# KiCad board Tiling_Flex_V1.kicad_pcb (continued)
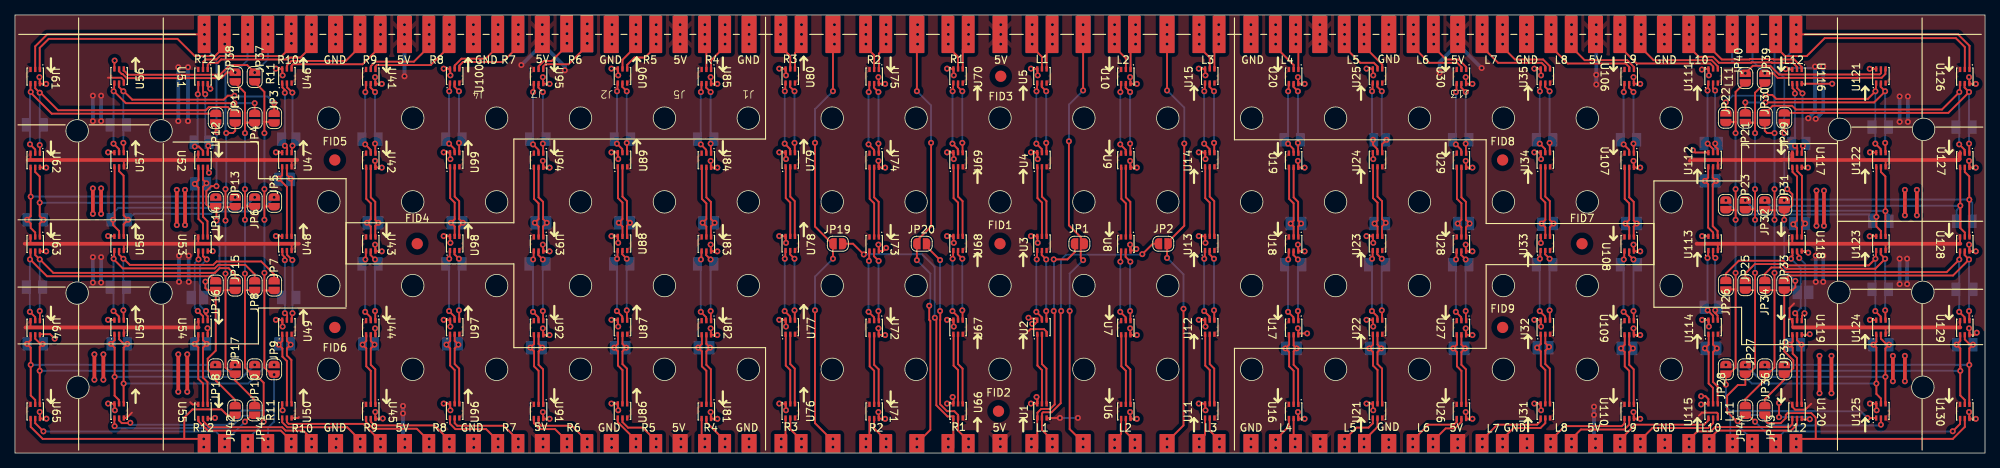
[diagram p0: board, top side]
## Placement (name value [footprint] x y rotation side) (continued)
U91  ~  [WS2816-2121]  69.9 5.6 270 top
U92  ~  [WS2816-2121]  69.9 16.8 270 top
U93  ~  [WS2816-2121]  69.9 28 270 top
U94  ~  [WS2816-2121]  69.9 39.2 270 top
U95  ~  [WS2816-2121]  69.9 50.4 270 top
U96  ~  [WS2816-2121]  58.7 5.6 90 top
U97  ~  [WS2816-2121]  58.7 16.8 90 top
U98  ~  [WS2816-2121]  58.7 28 90 top
U99  ~  [WS2816-2121]  58.7 39.2 90 top
U100  ~  [WS2816-2121]  58.7 50.4 90 top
U106  ~  [WS2816-2121]  215.5 50.4 270 top
U107  ~  [WS2816-2121]  215.5 39.2 270 top
U108  ~  [WS2816-2121]  215.5 28 270 top
U109  ~  [WS2816-2121]  215.5 16.8 270 top
U110  ~  [WS2816-2121]  215.5 5.6 270 top
U111  ~  [WS2816-2121]  226.7 50.4 90 top
U112  ~  [WS2816-2121]  226.7 39.2 90 top
U113  ~  [WS2816-2121]  226.7 28 90 top
U114  ~  [WS2816-2121]  226.7 16.8 90 top
U115  ~  [WS2816-2121]  226.7 5.6 90 top
U116  ~  [WS2816-2121]  237.9 50.4 270 top
U117  ~  [WS2816-2121]  237.9 39.2 270 top
U118  ~  [WS2816-2121]  237.9 28 270 top
U119  ~  [WS2816-2121]  237.9 16.8 270 top
U120  ~  [WS2816-2121]  237.9 5.6 270 top
U121  ~  [WS2816-2121]  249.1 50.4 90 top
U122  ~  [WS2816-2121]  249.1 39.2 90 top
U123  ~  [WS2816-2121]  249.1 28 90 top
U124  ~  [WS2816-2121]  249.1 16.8 90 top
U125  ~  [WS2816-2121]  249.1 5.6 90 top
U126  ~  [WS2816-2121]  260.3 50.4 270 top
U127  ~  [WS2816-2121]  260.3 39.2 270 top
U128  ~  [WS2816-2121]  260.3 28 270 top
U129  ~  [WS2816-2121]  260.3 16.8 270 top
U130  ~  [WS2816-2121]  260.3 5.6 270 top

## Library data of the parts
FID1-FID9 = -: Description: Fiducial Marker
J1-J30 J47 J48 J75 J76 J87-J162 J211-J274 = -: Description: Generic connector, single row, 01x01, script generated
J31-J46 J49-J74 J77-J86 = -: Description: Generic connector, single row, 01x02, script generated
JP1-JP44 = -: Description: Solder Jumper, 2-pole, open

## Footprints (pads in the part's own frame, mm; a bottom-side part is the same pattern mirrored in y, then rotated)
Fiducial_1.5mm_Mask3mm
  round 1.5 smd: (0,0)
SnowBoard Flex Pass Through Pads
  rrect 2x5 smd: 1(-5.6,0) 2(5.6,0)
  rrect 2x5 smd far side: 1(-5.6,0) 2(5.6,0)
SnowBoard Flex Pass Through Pads Short
  rrect 2x2.5 smd: 1(-5.6,0) 2(5.6,0)
  rrect 2x2.5 smd far side: 1(-5.6,0) 2(5.6,0)
SnowBoard Power Pads
  rrect 2x5 smd: 1(0,0)
  rrect 2x5 smd far side: 1(0,0)
SnowBoard Power Pads Short
  rrect 2x2.5 smd: 1(0.2,0)
  rrect 2x2.5 smd far side: 1(0.2,0)
Snowboard_Flex_Solder_Pad
  rrect 1.7x5 smd: 1(-1.35,0) 2(1.35,0)
  rrect 1.7x5 smd far side: 1(-1.35,0) 2(1.35,0)
Snowboard_Flex_Solder_pad_short
  rrect 1.7x2.5 smd: 1(-1.35,0) 2(1.35,0)
  rrect 1.7x2.5 smd far side: 1(-1.35,0) 2(1.35,0)
SolderJumper-2_P1.3mm_Open_RoundedPad1.0x1.5mm
  custom 1x1.5 smd: 1(-0.65,0) 2(0.65,0)
Test Pad
  rrect 1.2x1.8 smd far side: 1(0,0)
WS2816-2121
  rrect 0.7x0.32 smd: 1(-0.91,0.63) 2(-0.91,0) 3(-0.91,-0.63) 4(0.98,-0.63) 5(0.98,0) 6(0.98,0.63)

## Nets
+5V: J3.1 J5.1 J7.1 J9.1 J11.1 J13.1 J15.1 J17.1 J19.1 J21.1 J23.1 J25.1 J27.1 J29.1 U1.3 U2.3 U3.3 U4.3 U5.3 U6.3 U7.3 U8.3 U9.3 U10.3 U11.3 U12.3 U13.3 U14.3 U15.3 U16.3 U17.3 U18.3 U19.3 U20.3 U21.3 U22.3 U23.3 U24.3 U25.3 U26.3 U27.3 U28.3 U29.3 U30.3 U31.3 U32.3 U33.3 U34.3 U35.3 U41.3 U42.3 U43.3 U44.3 U45.3 U46.3 U47.3 U48.3 U49.3 U50.3 U51.3 U52.3 U53.3 U54.3 U55.3 U56.3 U57.3 U58.3 U59.3 U60.3 U61.3 U62.3 U63.3 U64.3 U65.3 U66.3 U67.3 U68.3 U69.3 U70.3 U71.3 U72.3 U73.3 U74.3 U75.3 U76.3 U77.3 U78.3 U79.3 U80.3 U81.3 U82.3 U83.3 U84.3 U85.3 U86.3 U87.3 U88.3 U89.3 U90.3 U91.3 U92.3 U93.3 U94.3 U95.3 U96.3 U97.3 U98.3 U99.3 U100.3 U106.3 U107.3 U108.3 U109.3 U110.3 U111.3 U112.3 U113.3 U114.3 U115.3 U116.3 U117.3 U118.3 U119.3 U120.3 U121.3 U122.3 U123.3 U124.3 U125.3 U126.3 U127.3 U128.3 U129.3 U130.3
GND: J1.1 J2.1 J4.1 J6.1 J8.1 J10.1 J12.1 J14.1 J16.1 J18.1 J20.1 J22.1 J24.1 J26.1 J28.1 J30.1 U1.6 U2.6 U3.6 U4.6 U5.6 U6.6 U7.6 U8.6 U9.6 U10.6 U11.6 U12.6 U13.6 U14.6 U15.6 U16.6 U17.6 U18.6 U19.6 U20.6 U21.6 U22.6 U23.6 U24.6 U25.6 U26.6 U27.6 U28.6 U29.6 U30.6 U31.6 U32.6 U33.6 U34.6 U35.6 U41.6 U42.6 U43.6 U44.6 U45.6 U46.6 U47.6 U48.6 U49.6 U50.6 U51.6 U52.6 U53.6 U54.6 U55.6 U56.6 U57.6 U58.6 U59.6 U60.6 U61.6 U62.6 U63.6 U64.6 U65.6 U66.6 U67.6 U68.6 U69.6 U70.6 U71.6 U72.6 U73.6 U74.6 U75.6 U76.6 U77.6 U78.6 U79.6 U80.6 U81.6 U82.6 U83.6 U84.6 U85.6 U86.6 U87.6 U88.6 U89.6 U90.6 U91.6 U92.6 U93.6 U94.6 U95.6 U96.6 U97.6 U98.6 U99.6 U100.6 U106.6 U107.6 U108.6 U109.6 U110.6 U111.6 U112.6 U113.6 U114.6 U115.6 U116.6 U117.6 U118.6 U119.6 U120.6 U121.6 U122.6 U123.6 U124.6 U125.6 U126.6 U127.6 U128.6 U129.6 U130.6
Net-(J31-Pin_1): J31.1 JP2.1 U1.2
Net-(J31-Pin_2): J31.2 JP1.1 U1.1
Net-(J32-Pin_1): J32.1 U5.4
Net-(J32-Pin_2): J32.2 U5.5
Net-(J33-Pin_1): J33.1 J34.1 JP1.2
Net-(J33-Pin_2): J33.2 J34.2 JP2.2
Net-(J35-Pin_1): J35.1 U6.4
Net-(J35-Pin_2): J35.2 U6.5
Net-(J36-Pin_1): J36.1 U10.2
Net-(J36-Pin_2): J36.2 U10.1
Net-(J37-Pin_1): J37.1 U11.2
Net-(J37-Pin_2): J37.2 U11.1
Net-(J38-Pin_1): J38.1 U15.4
Net-(J38-Pin_2): J38.2 U15.5
Net-(J39-Pin_1): J39.1 U16.4
Net-(J39-Pin_2): J39.2 U16.5
Net-(J40-Pin_1): J40.1 U20.2
Net-(J40-Pin_2): J40.2 U20.1
Net-(J41-Pin_1): J41.1 U21.2
Net-(J41-Pin_2): J41.2 U21.1
Net-(J42-Pin_1): J42.1 U25.4
Net-(J42-Pin_2): J42.2 U25.5
Net-(J43-Pin_1): J43.1 U26.4
Net-(J43-Pin_2): J43.2 U26.5
Net-(J44-Pin_1): J44.1 U30.2
Net-(J44-Pin_2): J44.2 U30.1
Net-(J45-Pin_1): J45.1 U31.2
Net-(J45-Pin_2): J45.2 U31.1
Net-(J46-Pin_1): J46.1 U35.4
Net-(J46-Pin_2): J46.2 U35.5
Net-(J47-Pin_1): J47.1 U44.4 U45.2
Net-(J48-Pin_1): J48.1 U109.4 U110.2
Net-(J49-Pin_1): J49.1 U41.2
Net-(J49-Pin_2): J49.2 U41.1
Net-(J50-Pin_1): J50.1 U45.4
Net-(J50-Pin_2): J50.2 U45.5
Net-(J51-Pin_1): J51.1 U46.4
Net-(J51-Pin_2): J51.2 U46.5
Net-(J52-Pin_1): J52.1 U50.2
Net-(J52-Pin_2): J52.2 U50.1
Net-(J53-Pin_1): J53.1 U51.2
Net-(J53-Pin_2): J53.2 U51.1
Net-(J54-Pin_1): J54.1 U55.4
Net-(J54-Pin_2): J54.2 U55.5
Net-(J55-Pin_1): J55.1 JP37.1 U56.4
Net-(J55-Pin_2): J55.2 JP38.1 U56.5
Net-(J56-Pin_1): J56.1 JP3.2 JP5.2 JP7.2 JP9.2 JP37.2 U60.2
Net-(J56-Pin_2): J56.2 JP4.2 JP6.2 JP8.2 JP10.2 JP38.2 U60.1
Net-(J57-Pin_1): J57.1 JP12.2 JP14.2 JP16.2 JP18.2 JP42.2 U61.2
Net-(J57-Pin_2): J57.2 JP11.2 JP13.2 JP15.2 JP17.1 JP41.2 U61.1
Net-(J58-Pin_1): J58.1 JP42.1 U65.4
Net-(J58-Pin_2): J58.2 JP41.1 U65.5
Net-(J59-Pin_1): J59.1 JP20.1 U66.2
Net-(J59-Pin_2): J59.2 JP19.1 U66.1
Net-(J60-Pin_1): J60.1 U70.4
Net-(J60-Pin_2): J60.2 U70.5
Net-(J61-Pin_1): J61.1 J62.1 JP19.2
Net-(J61-Pin_2): J61.2 J62.2 JP20.2
Net-(J63-Pin_1): J63.1 U71.4
Net-(J63-Pin_2): J63.2 U71.5
Net-(J64-Pin_1): J64.1 U75.2
Net-(J64-Pin_2): J64.2 U75.1
Net-(J65-Pin_1): J65.1 U76.2
Net-(J65-Pin_2): J65.2 U76.1
Net-(J66-Pin_1): J66.1 U80.4
Net-(J66-Pin_2): J66.2 U80.5
Net-(J67-Pin_1): J67.1 U81.4
Net-(J67-Pin_2): J67.2 U81.5
Net-(J68-Pin_1): J68.1 U85.2
Net-(J68-Pin_2): J68.2 U85.1
Net-(J69-Pin_1): J69.1 U86.2
Net-(J69-Pin_2): J69.2 U86.1
Net-(J70-Pin_1): J70.1 U90.4
Net-(J70-Pin_2): J70.2 U90.5
Net-(J71-Pin_1): J71.1 U91.4
Net-(J71-Pin_2): J71.2 U91.5
Net-(J72-Pin_1): J72.1 U95.2
Net-(J72-Pin_2): J72.2 U95.1
Net-(J73-Pin_1): J73.1 U96.2
Net-(J73-Pin_2): J73.2 U96.1
Net-(J74-Pin_1): J74.1 U100.4
Net-(J74-Pin_2): J74.2 U100.5
Net-(J75-Pin_1): J75.1 U44.5 U45.1
Net-(J76-Pin_1): J76.1 U109.5 U110.1
Net-(J77-Pin_1): J77.1 U106.2
Net-(J77-Pin_2): J77.2 U106.1
Net-(J78-Pin_1): J78.1 U110.4
Net-(J78-Pin_2): J78.2 U110.5
Net-(J79-Pin_1): J79.1 U111.4
Net-(J79-Pin_2): J79.2 U111.5
Net-(J80-Pin_1): J80.1 U115.2
Net-(J80-Pin_2): J80.2 U115.1
Net-(J81-Pin_1): J81.1 U116.2
Net-(J81-Pin_2): J81.2 U116.1
Net-(J82-Pin_1): J82.1 U120.4
Net-(J82-Pin_2): J82.2 U120.5
Net-(J83-Pin_1): J83.1 JP39.1 U121.4
Net-(J83-Pin_2): J83.2 JP40.1 U121.5
Net-(J84-Pin_1): J84.1 JP21.2 JP23.2 JP25.2 JP27.2 JP39.2 U125.2
Net-(J84-Pin_2): J84.2 JP22.2 JP24.2 JP26.2 JP28.2 JP40.2 U125.1
Net-(J85-Pin_1): J85.1 JP30.2 JP32.2 JP34.2 JP36.2 JP44.2 U126.2
Net-(J85-Pin_2): J85.2 JP29.2 JP31.2 JP33.2 JP35.1 JP43.2 U126.1
Net-(J86-Pin_1): J86.1 JP44.1 U130.4
Net-(J86-Pin_2): J86.2 JP43.1 U130.5
Net-(J87-Pin_1): J87.1 U43.4 U44.2
Net-(J88-Pin_1): J88.1 U43.5 U44.1
Net-(J89-Pin_1): J89.1 U108.4 U109.2
Net-(J90-Pin_1): J90.1 U108.5 U109.1
Net-(J91-Pin_1): J91.1 U42.4 U43.2
Net-(J92-Pin_1): J92.1 U42.5 U43.1
Net-(J93-Pin_1): J93.1 U107.4 U108.2
Net-(J94-Pin_1): J94.1 U107.5 U108.1
Net-(J95-Pin_1): J95.1 U41.4 U42.2
Net-(J96-Pin_1): J96.1 U41.5 U42.1
Net-(J97-Pin_1): J97.1 U106.4 U107.2
Net-(J98-Pin_1): J98.1 U106.5 U107.1
Net-(J99-Pin_1): J99.1 U49.1 U50.5
Net-(J100-Pin_1): J100.1 U49.2 U50.4
Net-(J101-Pin_1): J101.1 U114.1 U115.5
Net-(J102-Pin_1): J102.1 U114.2 U115.4
Net-(J103-Pin_1): J103.1 U48.1 U49.5
Net-(J104-Pin_1): J104.1 U48.2 U49.4
Net-(J105-Pin_1): J105.1 U113.1 U114.5
Net-(J106-Pin_1): J106.1 U113.2 U114.4
Net-(J107-Pin_1): J107.1 U47.1 U48.5
Net-(J108-Pin_1): J108.1 U47.2 U48.4
Net-(J109-Pin_1): J109.1 U112.1 U113.5
Net-(J110-Pin_1): J110.1 U112.2 U113.4
Net-(J111-Pin_1): J111.1 U46.1 U47.5
Net-(J112-Pin_1): J112.1 U46.2 U47.4
Net-(J113-Pin_1): J113.1 U111.1 U112.5
Net-(J114-Pin_1): J114.1 U111.2 U112.4
Net-(J115-Pin_1): J115.1 U51.4 U52.2
Net-(J116-Pin_1): J116.1 U51.5 U52.1
Net-(J117-Pin_1): J117.1 U116.4 U117.2
Net-(J118-Pin_1): J118.1 U116.5 U117.1
Net-(J119-Pin_1): J119.1 U52.4 U53.2
Net-(J120-Pin_1): J120.1 U52.5 U53.1
Net-(J121-Pin_1): J121.1 U117.4 U118.2
Net-(J122-Pin_1): J122.1 U117.5 U118.1
Net-(J123-Pin_1): J123.1 U53.4 U54.2
Net-(J124-Pin_1): J124.1 U53.5 U54.1
Net-(J125-Pin_1): J125.1 U118.4 U119.2
Net-(J126-Pin_1): J126.1 U118.5 U119.1
Net-(J127-Pin_1): J127.1 U54.4 U55.2
Net-(J128-Pin_1): J128.1 U54.5 U55.1
Net-(J129-Pin_1): J129.1 U119.4 U120.2
Net-(J130-Pin_1): J130.1 U119.5 U120.1
Net-(J131-Pin_1): J131.1 JP10.1 U59.1 U60.5
Net-(J132-Pin_1): J132.1 JP9.1 U59.2 U60.4
Net-(J133-Pin_1): J133.1 JP28.1 U124.1 U125.5
Net-(J134-Pin_1): J134.1 JP27.1 U124.2 U125.4
Net-(J135-Pin_1): J135.1 JP8.1 U58.1 U59.5
Net-(J136-Pin_1): J136.1 JP7.1 U58.2 U59.4
Net-(J137-Pin_1): J137.1 JP26.1 U123.1 U124.5
Net-(J138-Pin_1): J138.1 JP25.1 U123.2 U124.4
Net-(J139-Pin_1): J139.1 JP6.1 U57.1 U58.5
Net-(J140-Pin_1): J140.1 JP5.1 U57.2 U58.4
Net-(J141-Pin_1): J141.1 JP24.1 U122.1 U123.5
Net-(J142-Pin_1): J142.1 JP23.1 U122.2 U123.4
Net-(J143-Pin_1): J143.1 JP4.1 U56.1 U57.5
Net-(J144-Pin_1): J144.1 JP3.1 U56.2 U57.4
Net-(J145-Pin_1): J145.1 JP22.1 U121.1 U122.5
Net-(J146-Pin_1): J146.1 JP21.1 U121.2 U122.4
Net-(J147-Pin_1): J147.1 JP18.1 U64.4 U65.2
Net-(J148-Pin_1): J148.1 JP17.2 U64.5 U65.1
Net-(J149-Pin_1): J149.1 JP36.1 U129.4 U130.2
Net-(J150-Pin_1): J150.1 JP35.2 U129.5 U130.1
Net-(J151-Pin_1): J151.1 JP16.1 U63.4 U64.2
Net-(J152-Pin_1): J152.1 JP15.1 U63.5 U64.1
Net-(J153-Pin_1): J153.1 JP34.1 U128.4 U129.2
Net-(J154-Pin_1): J154.1 JP33.1 U128.5 U129.1
Net-(J155-Pin_1): J155.1 JP14.1 U62.4 U63.2
Net-(J156-Pin_1): J156.1 JP13.1 U62.5 U63.1
Net-(J157-Pin_1): J157.1 JP32.1 U127.4 U128.2
Net-(J158-Pin_1): J158.1 JP31.1 U127.5 U128.1
Net-(J159-Pin_1): J159.1 JP12.1 U61.4 U62.2
Net-(J160-Pin_1): J160.1 JP11.1 U61.5 U62.1
Net-(J161-Pin_1): J161.1 JP30.1 U126.4 U127.2
Net-(J162-Pin_1): J162.1 JP29.1 U126.5 U127.1
Net-(J211-Pin_1): J211.1 U19.2 U20.4
Net-(J212-Pin_1): J212.1 U19.1 U20.5
Net-(J213-Pin_1): J213.1 U84.2 U85.4
Net-(J214-Pin_1): J214.1 U84.1 U85.5
Net-(J215-Pin_1): J215.1 U18.2 U19.4
Net-(J216-Pin_1): J216.1 U18.1 U19.5
Net-(J217-Pin_1): J217.1 U83.2 U84.4
Net-(J218-Pin_1): J218.1 U83.1 U84.5
Net-(J219-Pin_1): J219.1 U17.2 U18.4
Net-(J220-Pin_1): J220.1 U17.1 U18.5
Net-(J221-Pin_1): J221.1 U82.2 U83.4
Net-(J222-Pin_1): J222.1 U82.1 U83.5
Net-(J223-Pin_1): J223.1 U16.2 U17.4
Net-(J224-Pin_1): J224.1 U16.1 U17.5
Net-(J225-Pin_1): J225.1 U81.2 U82.4
Net-(J226-Pin_1): J226.1 U81.1 U82.5
Net-(J227-Pin_1): J227.1 U21.5 U22.1
Net-(J228-Pin_1): J228.1 U21.4 U22.2
Net-(J229-Pin_1): J229.1 U86.5 U87.1
Net-(J230-Pin_1): J230.1 U86.4 U87.2
Net-(J231-Pin_1): J231.1 U22.5 U23.1
Net-(J232-Pin_1): J232.1 U22.4 U23.2
Net-(J233-Pin_1): J233.1 U87.5 U88.1
Net-(J234-Pin_1): J234.1 U87.4 U88.2
Net-(J235-Pin_1): J235.1 U23.5 U24.1
Net-(J236-Pin_1): J236.1 U23.4 U24.2
Net-(J237-Pin_1): J237.1 U88.5 U89.1
Net-(J238-Pin_1): J238.1 U88.4 U89.2
Net-(J239-Pin_1): J239.1 U24.5 U25.1
Net-(J240-Pin_1): J240.1 U24.4 U25.2
Net-(J241-Pin_1): J241.1 U89.5 U90.1
Net-(J242-Pin_1): J242.1 U89.4 U90.2
Net-(J243-Pin_1): J243.1 U29.2 U30.4
Net-(J244-Pin_1): J244.1 U29.1 U30.5
Net-(J245-Pin_1): J245.1 U94.2 U95.4
Net-(J246-Pin_1): J246.1 U94.1 U95.5
Net-(J247-Pin_1): J247.1 U28.2 U29.4
Net-(J248-Pin_1): J248.1 U28.1 U29.5
Net-(J249-Pin_1): J249.1 U93.2 U94.4
Net-(J250-Pin_1): J250.1 U93.1 U94.5
Net-(J251-Pin_1): J251.1 U27.2 U28.4
Net-(J252-Pin_1): J252.1 U27.1 U28.5
Net-(J253-Pin_1): J253.1 U92.2 U93.4
Net-(J254-Pin_1): J254.1 U92.1 U93.5
Net-(J255-Pin_1): J255.1 U26.2 U27.4
Net-(J256-Pin_1): J256.1 U26.1 U27.5
Net-(J257-Pin_1): J257.1 U91.2 U92.4
Net-(J258-Pin_1): J258.1 U91.1 U92.5
Net-(J259-Pin_1): J259.1 U31.5 U32.1
Net-(J260-Pin_1): J260.1 U31.4 U32.2
Net-(J261-Pin_1): J261.1 U96.5 U97.1
Net-(J262-Pin_1): J262.1 U96.4 U97.2
Net-(J263-Pin_1): J263.1 U32.5 U33.1
Net-(J264-Pin_1): J264.1 U32.4 U33.2
Net-(J265-Pin_1): J265.1 U97.5 U98.1
Net-(J266-Pin_1): J266.1 U97.4 U98.2
Net-(J267-Pin_1): J267.1 U33.5 U34.1
Net-(J268-Pin_1): J268.1 U33.4 U34.2
Net-(J269-Pin_1): J269.1 U98.5 U99.1
Net-(J270-Pin_1): J270.1 U98.4 U99.2
Net-(J271-Pin_1): J271.1 U34.5 U35.1
Net-(J272-Pin_1): J272.1 U34.4 U35.2
Net-(J273-Pin_1): J273.1 U99.5 U100.1
Net-(J274-Pin_1): J274.1 U99.4 U100.2
Net-(U1-BO): U1.5 U2.1
Net-(U1-DO): U1.4 U2.2
Net-(U2-BO): U2.5 U3.1
Net-(U2-DO): U2.4 U3.2
Net-(U3-BO): U3.5 U4.1
Net-(U3-DO): U3.4 U4.2
Net-(U4-BO): U4.5 U5.1
Net-(U4-DO): U4.4 U5.2
Net-(U6-BI): U6.1 U7.5
Net-(U6-DI): U6.2 U7.4
Net-(U7-BI): U7.1 U8.5
Net-(U7-DI): U7.2 U8.4
Net-(U8-BI): U8.1 U9.5
Net-(U8-DI): U8.2 U9.4
Net-(U10-BO): U9.1 U10.5
Net-(U10-DO): U9.2 U10.4
Net-(U11-BO): U11.5 U12.1
Net-(U11-DO): U11.4 U12.2
Net-(U12-BO): U12.5 U13.1
Net-(U12-DO): U12.4 U13.2
Net-(U13-BO): U13.5 U14.1
Net-(U13-DO): U13.4 U14.2
Net-(U14-BO): U14.5 U15.1
Net-(U14-DO): U14.4 U15.2
Net-(U66-BO): U66.5 U67.1
Net-(U66-DO): U66.4 U67.2
Net-(U67-BO): U67.5 U68.1
Net-(U67-DO): U67.4 U68.2
Net-(U68-BO): U68.5 U69.1
Net-(U68-DO): U68.4 U69.2
Net-(U69-BO): U69.5 U70.1
Net-(U69-DO): U69.4 U70.2
Net-(U71-BI): U71.1 U72.5
Net-(U71-DI): U71.2 U72.4
Net-(U72-BI): U72.1 U73.5
Net-(U72-DI): U72.2 U73.4
Net-(U73-BI): U73.1 U74.5
Net-(U73-DI): U73.2 U74.4
Net-(U74-BI): U74.1 U75.5
Net-(U74-DI): U74.2 U75.4
Net-(U76-BO): U76.5 U77.1
Net-(U76-DO): U76.4 U77.2
Net-(U77-BO): U77.5 U78.1
Net-(U77-DO): U77.4 U78.2
Net-(U78-BO): U78.5 U79.1
Net-(U78-DO): U78.4 U79.2
Net-(U79-BO): U79.5 U80.1
Net-(U79-DO): U79.4 U80.2

## Via types
v1: diameter 0.8, hole 0.4, Top to Bottom, 996 vias

## Routing (per net, layer and track width the routed paths; a pad name or vN(x,y) marks a point on that pad's centre or on a via; arc(x,y) is an arc through that point)
+5V: length 353.3
  Top w0.25: U1.3 139.49,4.69 v1(139.5,4.7) ; 1.4,16.8 1.9,16.8 2.07,16.97 U64.3 ; U113.3 227.33,27.97 227.3,28 ; U116.3 236.45,51.31 v1(236.4,51.36) ; U129.3 259.67,16.83 259.7,16.8 ; U53.3 24.47,28.13 24.5,28.1 ; 237.5,20 236.91,19.41 236.91,18.07 U119.3 ; 249.8,39.2 249.73,39.13 U122.3 ; U2.3 137.73,16.22 137.39,16.56 136.1,16.56 135.56,16.56 135.3,16.3 ; 12.4,50.2 14.2,50.2 14.53,49.87 U56.3 ; 227.3,39.2 227.33,39.17 U112.3 ; U123.3 249.73,27.97 ; 37.9,4.8 37.79,4.69 U50.3 ; U57.3 14.53,39.03 ; U47.3 36.93,39.23 ; U52.3 24.47,39.27 ; U128.3 259.67,28.03 259.7,28 ; U55.3 23.69,6.51 23.4,6.8 ; U48.3 36.93,27.97 ; 1.3,28 2.07,28 U63.3 ; U62.3 2.07,39.23 ; 224.8,5 225.2,5.4 227.2,5.4 227.33,5.27 U115.3 ; 24.5,16.8 24.5,17.7 ; U124.3 249.73,16.67 ; 237.3,17.7 237.3,16.9 237.4,16.8 ; U120.3 237.27,6.18 237.65,5.8 239,5.8 239.8,6.6 ; U58.3 14.53,27.93 ; U60.3 14.89,4.69 15.6,5.4 ; U118.3 237.27,28.03 ; U59.3 14.53,16.77
  Top w0.5: 1.3,28 37.9,28 ; 237.27,39.23 235.83,39.23 235.8,39.2 223.7,39.2 223.6,39.1 ; 237.27,39.23 U117.3 ; 237.27,39.23 237.3,39.2 259.5,39.2 259.6,39.3 259.6,40.04 U127.3 ; 259.7,16.8 237.4,16.8 ; 259.7,28 224.5,28 ; 1.4,16.8 24.5,16.8 ; 37.7,39.2 1.7,39.2
  Bottom w0.25: v1(141.9,4.7) 141.8,4.8 141.7,4.7 v1(139.5,4.7) ; v1(236.4,51.36) 236.54,51.5 240.1,51.5 v1(240.3,51.7) 241.2,51.7
  Bottom w0.5: v1(251.6,26) v1(251.6,22.6) ; v1(10.4,47.8) v1(10.4,44.4) ; v1(190.2,50.9) 190.2,52.3 v1(192.6,54.7) v1(195.8,51.5) ; v1(10.4,26.2) v1(10.4,22.8) ; v1(67.6,51.9) v1(70.4,54.7) 73.4,51.7 v1(73.4,51.2) ; v1(241.4,26.4) v1(241.4,22.9) ; v1(23.2,26.4) v1(23.2,22.9) ; v1(252.6,26) v1(252.6,22.6) ; v1(52.05,0.75) 51.8,1 v1(51.8,6.3) ; 210.8,6.3 210.8,0.9 v1(211,0.7) ; v1(211.1,49.3) v1(211.1,50.6) v1(211.1,57.3) ; v1(239.4,44.78) 240.3,45.68 v1(240.3,51.7) ; v1(241.4,51.7) 241.4,45.7 v1(240.4,44.7) ; v1(251.6,44.3) v1(251.6,47.7) ; v1(240.4,26.4) v1(240.4,22.9) ; v1(21.8,51.6) v1(21.8,44.4) ; v1(21.9,26.4) v1(21.9,22.9) ; v1(23.1,51.6) v1(23.1,44.4) ; v1(252.7,47.7) v1(252.7,44.3) ; v1(52,57.3) v1(52,50.4) ; v1(11.5,47.8) v1(11.5,44.4) ; v1(11.5,26.2) v1(11.5,22.8)
  vias: v1(51.8,5.3) v1(52,56) v1(52,54.7) v1(52.05,1.85) v1(70.4,57.3) v1(70.4,56) v1(70.5,1.9) v1(70.5,0.8) v1(88.8,57.3) v1(88.8,56) v1(88.8,54.7) v1(88.9,1.9) v1(88.9,0.8) v1(131.6,57.3) v1(131.6,56) v1(131.6,54.7) v1(131.55,1.9) v1(131.55,0.85) v1(174.2,57.3) v1(174.2,56) v1(174.2,54.7) v1(174.25,1.9) v1(174.25,0.85) v1(192.6,57.3) v1(192.6,56) v1(192.6,1.85) v1(192.6,0.7) v1(210.8,6.2) v1(210.8,5.1) v1(211,1.9) v1(211.1,56) v1(211.1,54.7)
GND: length 259.1
  Top w0.25: 202.85,17.8 203.7,17.8 203.7,17.05 ; 93.75,38.2 92.9,38.2 92.9,38.95 ; v1(48.1,5.5) 48.1,4.6 49.08,4.6 v1(49.1,4.62) ; 225.25,51.4 226.1,51.4 226.1,50.65 ; 203.7,29 v1(203.7,28.1) ; U54.6 25.73,16.47 25.7,16.5 ; 135.65,40.2 136.5,40.2 136.5,39.45 ; 158.9,50.65 158.9,51.4 158.05,51.4 ; 171.3,5.35 171.3,4.6 172.15,4.6 ; 71.35,38.2 70.5,38.2 70.5,38.95 ; 48.1,15.8 48.1,16.55 48.07,16.58 v1(48.07,16.68) ; v1(247.63,6.62) 247.65,6.6 248.5,6.6 248.5,5.85 248.53,5.82 v1(248.53,5.72) ; 57.25,29 58.1,29 58.1,28.25 ; 260.9,16.6 260.93,16.57 U129.6 261.62,15.82 v1(261.9,16.1) ; v1(136.38,7.5) 136.5,7.38 136.5,6.62 v1(135.63,6.62) ; 158.9,17.05 158.9,17.8 158.05,17.8 ; 102.9,28.25 102.9,29 102.05,29 ; v1(203.73,5.72) 203.73,5.82 203.7,5.85 203.7,6.6 202.85,6.6 v1(202.83,6.62) ; v1(216.97,49.38) 216.95,49.4 216.1,49.4 216.1,50.15 216.07,50.18 v1(216.07,50.28) ; 172.15,38.2 171.3,38.2 171.3,38.95 ; 115.3,27.9 115.33,27.87 U73.6 115.87,27.02 v1(116.3,27.45) ; v1(34.83,40.22) 34.85,40.2 35.7,40.2 ; 116.15,15.8 115.3,15.8 115.3,16.55 ; v1(193.67,50.28) 193.67,50.18 193.7,50.15 193.7,49.4 194.55,49.4 v1(194.57,49.38) ; 102.05,51.4 102.9,51.4 102.9,50.65 ; 125.3,17.05 125.3,17.8 124.45,17.8 ; v1(158.93,5.72) 158.93,5.82 158.9,5.85 158.9,6.6 158.05,6.6 v1(158.03,6.62) ; v1(48.07,39.08) 48.07,38.98 48.1,38.95 48.1,38.2 48.95,38.2 v1(48.97,38.18) ; U52.6 25.73,37.67 v1(25.9,37.5) ; 35.7,5.8 35.67,5.83 U50.6 ; v1(172.17,49.38) 172.15,49.4 171.3,49.4 171.3,50.15 171.27,50.18 v1(171.27,50.28) ; v1(4.17,38.18) 4.15,38.2 3.3,38.2 ; 71.35,27 70.5,27 70.5,27.75 ; v1(92.87,50.28) 92.87,50.18 92.9,50.15 92.9,49.4 93.75,49.4 v1(93.77,49.38) ; 116.15,4.6 115.3,4.6 115.3,5.35 ; 261.75,38.2 260.9,38.2 260.9,38.95 ; 58.1,17.05 58.1,17.8 57.25,17.8 ; 158.05,40.2 158.9,40.2 158.9,39.45 ; v1(34.83,51.42) 34.85,51.4 35.7,51.4 35.7,50.65 35.73,50.62 v1(35.73,50.52) ; 135.65,51.4 136.5,51.4 136.5,50.65 ; v1(57.23,6.62) 57.25,6.6 58.1,6.6 58.1,5.85 58.13,5.82 v1(58.13,5.72) ; 13.3,40.2 12.45,40.2 v1(12.43,40.22) ; U119.6 239.52,15.82 v1(239.6,15.9) ; v1(79.63,6.62) 79.65,6.6 80.5,6.6 80.5,5.85 80.53,5.82 v1(80.53,5.72) ; 226.1,40.2 224.3,40.2 v1(224,40.5) ; 92.9,5.35 92.9,4.6 93.75,4.6 ; 193.7,16.55 193.7,15.8 194.55,15.8 ; 125.3,50.65 125.3,51.4 124.45,51.4 ; 216.95,38.2 216.1,38.2 216.1,38.95 ; 58.1,39.45 58.1,40.2 57.25,40.2 ; v1(34.83,29.02) 34.85,29 35.7,29 ; v1(4.17,26.98) 4.15,27 3.3,27 ; 148.9,5.35 148.9,4.6 149.75,4.6 ; v1(48.07,27.88) 48.07,27.78 48.1,27.75 48.1,27 48.95,27 v1(48.97,26.98) ; 115.3,38.95 115.3,38.2 116.15,38.2 ; v1(115.27,50.28) 115.27,50.18 115.3,50.15 115.3,49.4 116.15,49.4 v1(116.17,49.38) ; v1(48.97,49.38) 48.95,49.4 48.1,49.4 48.1,50.15 48.07,50.18 v1(48.07,50.28) ; 158.05,29 158.9,29 158.9,28.25 ; v1(70.47,50.28) 70.47,50.18 70.5,50.15 70.5,49.4 71.35,49.4 v1(71.37,49.38) ; 149.75,15.8 148.9,15.8 148.9,16.55 ; 181.3,17.05 181.3,17.8 180.45,17.8 ; 136.47,17.57 136.19,17.29 v1(135.8,17.29) ; 80.5,28.25 80.5,29 79.65,29 ; 260.9,27.75 260.9,27 261.75,27 ; v1(13.3,52.5) 13.27,52.47 U56.6 ; 13.3,29 12.45,29 v1(12.43,29.02) ; 3.3,15.9 4.7,15.9 v1(5.3,15.3) ; 70.5,5.35 70.5,4.6 71.35,4.6 ; v1(260.87,50.28) 260.87,50.18 260.9,50.15 260.9,49.4 261.75,49.4 v1(261.77,49.38) ; 225.25,29 226.1,29 ; 92.9,16.55 92.9,15.8 93.75,15.8 ; v1(180.43,6.62) 180.45,6.6 181.3,6.6 181.3,5.85 181.33,5.82 v1(181.33,5.72) ; 216.95,4.6 216.1,4.6 216.1,5.35 ; v1(102.93,5.72) 102.93,5.82 102.9,5.85 102.9,6.6 102.05,6.6 v1(102.03,6.62) ; 136.4,7.5 136.47,7.43 U1.6 ; v1(124.43,6.62) 125.3,6.62 125.3,7.38 v1(125.18,7.5) ; U55.6 26.62,4.62 v1(26.7,4.7) ; v1(239.4,26.8) 239.2,27 238.5,27 ; 102.9,17.05 102.9,17.8 102.05,17.8 ; 79.65,40.2 80.5,40.2 80.5,39.45 ; 203.7,50.65 203.7,51.4 202.85,51.4 ; U2.6 136.25,18 135.4,18 v1(135.3,18.1) ; v1(4.2,4.6) 4.18,4.62 U65.6 3.33,5.37 3.3,5.4 v1(3.3,5.5) ; 35.7,5.85 35.73,5.82 v1(35.73,5.72) ; 193.7,38.95 193.7,38.2 194.55,38.2 ; 13.3,17.8 12.45,17.8 v1(12.43,17.82) ; 247.65,40.2 248.5,40.2 ; 261.75,4.6 260.9,4.6 260.9,5.35 ; 171.3,27.75 171.3,27 172.15,27 ; 181.3,50.65 181.3,51.4 180.45,51.4 ; 80.5,50.65 80.5,51.4 79.65,51.4 ; 226.07,6.73 226.07,7.23 225.7,7.6 225.2,7.6 ; v1(35.73,16.92) 35.73,17.02 35.7,17.05 35.7,17.8 34.85,17.8 v1(34.83,17.82) ; 25.75,27 v1(26.4,27) ; v1(172.5,16) 171.3,16 ; 79.65,17.8 80.5,17.8 80.5,17.05 ; 148.9,38.95 148.9,38.2 149.75,38.2 ; 135.65,29 136.5,29 136.5,28.25 ; 193.7,5.35 193.7,4.6 194.55,4.6 ; 70.5,16.55 70.5,15.8 71.35,15.8 ; v1(4.17,49.38) 4.15,49.4 3.3,49.4 3.3,50.15 3.27,50.18 v1(3.27,50.28) ; 194.55,27 193.7,27 193.7,27.75 ; 225.25,17.8 226.1,17.8 226.1,17.05 ; 216.1,27.75 216.1,27 216.95,27 ; v1(26.08,48.73) 26.07,48.73 25.73,49.07 U51.6 ; 58.1,50.65 58.1,51.4 57.25,51.4 ; 226,6.8 226,6.6 225.2,6.6 v1(225.1,6.5) ; 239.35,38.2 238.5,38.2 ; 93.75,27 92.9,27 92.9,27.75 ; v1(235.5,4.8) v1(235.5,6.7) ; 181.3,28.25 181.3,29 180.45,29 ; 238.53,4.5 239.7,4.5 ; 202.85,40.2 203.7,40.2 203.7,39.45 ; v1(13.33,5.72) 13.33,5.82 13.3,5.85 13.3,6.6 12.45,6.6 v1(12.43,6.62) ; 247.65,51.4 248.5,51.4 ; v1(242.6,49.4) 238.5,49.4 ; 125.3,28.25 125.3,29 124.45,29 ; v1(149.7,27.3) 149.5,27.1 148.9,27.1 148.9,27.8 148.93,27.77 U8.6 ; 216.95,15.8 216.1,15.8 216.1,16.55 ; U17.6 171.33,16.67 171.3,16.7 ; v1(148.87,50.28) 148.87,50.18 148.9,50.15 148.9,49.4 149.75,49.4 v1(149.77,49.38) ; 102.9,39.45 102.9,40.2 102.05,40.2 ; 124.45,40.2 125.3,40.2 125.3,39.45 ; 181.3,40.2 181.3,39.45 ; v1(25.7,16.7) 25.7,16.55 ; 248.5,29 v1(247.6,29) ; 247.65,17.8 248.5,17.8
  Top w0.5: v1(253.9,35.2) v1(253.9,31.8) ; v1(21.6,35.2) v1(21.6,30.5) ; v1(240.5,35.1) v1(240.5,30.4) ; v1(252.3,35.2) v1(252.3,31.8) ; v1(240.9,8) v1(240.9,13) ; v1(22.7,35.2) v1(22.7,30.5) ; v1(10.6,13.2) v1(10.6,9.8) ; v1(241.5,35.1) v1(241.5,30.4) ; v1(11.5,35.4) v1(11.5,32) ; v1(23,8.2) v1(23,13.2) ; v1(10.4,35.4) v1(10.4,32) ; v1(252.3,13) v1(252.3,9.6) ; v1(21.8,8.2) v1(21.8,13.2) ; v1(250.7,13) v1(250.7,9.6) ; v1(11.8,13.2) v1(11.8,9.8) ; v1(242.5,8) v1(242.5,13)
  Bottom w0.25: 235.6,4.8 239.33,4.8 v1(239.6,4.52) ; 25.71,49.1 v1(26.08,48.73)
  vias: v1(42.8,57.3) v1(42.8,56) v1(42.8,54.7) v1(42.85,0.75) v1(42.9,1.9) v1(57.23,51.42) v1(57.23,40.22) v1(57.23,29.02) v1(57.23,17.82) v1(58.13,50.52) v1(58.13,39.32) v1(58.13,28.12) v1(58.13,16.92) v1(61.2,57.3) v1(61.2,56) v1(61.2,54.7) v1(61.25,1.9) v1(61.25,0.75) v1(70.47,39.08) v1(70.47,27.88) v1(70.47,16.68) v1(70.47,5.48) v1(71.37,38.18) v1(71.37,26.98) v1(71.37,15.78) v1(71.37,4.58) v1(79.63,51.42) v1(79.63,40.22) v1(79.63,29.02) v1(79.63,17.82) v1(79.7,57.3) v1(79.7,56) v1(79.7,54.7) v1(79.65,1.9) v1(79.65,0.75) v1(80.53,50.52) v1(80.53,39.32) v1(80.53,28.12) v1(80.53,16.92) v1(92.87,39.08) v1(92.87,27.88) v1(92.87,16.68) v1(92.87,5.48) v1(93.77,38.18) v1(93.77,26.98) v1(93.77,15.78) v1(93.77,4.58) v1(98,57.3) v1(98,56) v1(98,54.7) v1(98,1.9) v1(98,0.8) v1(102.03,51.42) v1(102.03,40.22) v1(102.03,29.02) v1(102.03,17.82) v1(102.93,50.52) v1(102.93,39.32) v1(102.93,28.12) v1(102.93,16.92) v1(115.27,39.08) v1(115.27,27.88) v1(115.27,16.68) v1(115.27,5.48) v1(116.17,38.18) v1(116.17,15.78) v1(116.17,4.58) v1(124.43,51.42) v1(124.43,40.22) v1(124.43,29.02) v1(124.43,17.82) v1(125.33,50.52) v1(125.33,39.32) v1(125.33,28.12) v1(125.33,16.92) v1(135.63,51.42) v1(135.63,40.22) v1(135.63,29.02) v1(136.53,50.52) v1(136.53,39.32) v1(136.53,28.12) v1(148.87,39.08) v1(148.87,27.88) v1(148.87,16.68) v1(148.87,5.48) v1(149.77,38.18) v1(149.77,15.78) v1(149.77,4.58) v1(158.03,51.42) v1(158.03,40.22) v1(158.03,29.02) v1(158.03,17.82) v1(158.93,50.52) v1(158.93,39.32) v1(158.93,28.12) v1(158.93,16.92) v1(165,57.3) v1(165,56) v1(165,54.7) v1(165,1.9) v1(165,0.8) v1(171.27,39.08) v1(171.27,27.88) v1(171.27,16.68) v1(171.27,5.48) v1(172.17,38.18) v1(172.17,26.98) v1(172.17,4.58) v1(180.43,51.42) v1(180.43,29.02) v1(180.43,17.82) v1(181.33,50.52) v1(181.33,39.32) v1(181.33,28.12) v1(181.33,16.92) v1(183.4,57.3) v1(183.4,56) v1(183.4,54.7) v1(183.4,1.8) v1(183.4,0.75) v1(193.67,39.08) v1(193.67,27.88) v1(193.67,16.68) v1(193.67,5.48) v1(194.57,38.18) v1(194.57,26.98) v1(194.57,15.78) v1(194.57,4.58) v1(201.8,57.3) v1(201.8,56) v1(201.8,54.7) v1(201.85,1.9) v1(201.85,0.7) v1(202.83,51.42) v1(202.83,40.22) v1(202.83,17.82) v1(203.73,50.52) v1(203.73,39.32) v1(203.73,16.92) v1(216.07,39.08) v1(216.07,27.88) v1(216.07,16.68) v1(216.07,5.48) v1(216.97,38.18) v1(216.97,26.98) v1(216.97,15.78) v1(216.97,4.58) v1(220.2,57.3) v1(220.2,56) v1(220.2,54.7) v1(220.25,1.8) v1(220.25,0.7) v1(225.1,7.6) v1(225.2,51.3) v1(225.23,29.02) v1(225.23,17.82) v1(226.13,50.52) v1(226.13,16.92) v1(239.37,38.18) v1(247.6,51.4) v1(247.63,40.22) v1(247.63,17.82) v1(260.87,39.08) v1(260.87,27.88) v1(260.87,16.68) v1(260.87,5.48) v1(261.77,38.18) v1(261.77,26.98) v1(261.77,4.58)
Net-(J31-Pin_1): length 40.2
  Top w0.25: 138.4,1.8 137.1,3.1 U1.2 137.1,5.3 137.25,5.46 138.39,5.46 139.6,6.66 139.6,18.93 v1(139.67,19) ; JP2.1 151.9,28 v1(150.5,26.6)
  Bottom w0.25: v1(150.5,26.6) 150.43,26.53 140.32,26.53 139.62,25.82 139.62,19.04 v1(139.67,19)
  vias: v1(138.5,1.9) v1(138.5,0.8)
Net-(J31-Pin_2): length 31.3
  Top w0.25: 136.5,4.5 136.5,5.4 137,5.91 138.21,5.91 138.8,6.5 138.8,18.9 ; v1(138.67,25.9) 140.5,25.9 141.5,26.9 141.5,28 ; U1.1 136.47,0.67
  Bottom w0.25: v1(138.67,25.9) 138.7,25.87 138.7,19.03 v1(138.67,19)
  vias: v1(135.7,1.9) v1(135.7,0.8)
